# EAGLE board working (EAGLE 9.6.2), part 3 of 28 (continued)
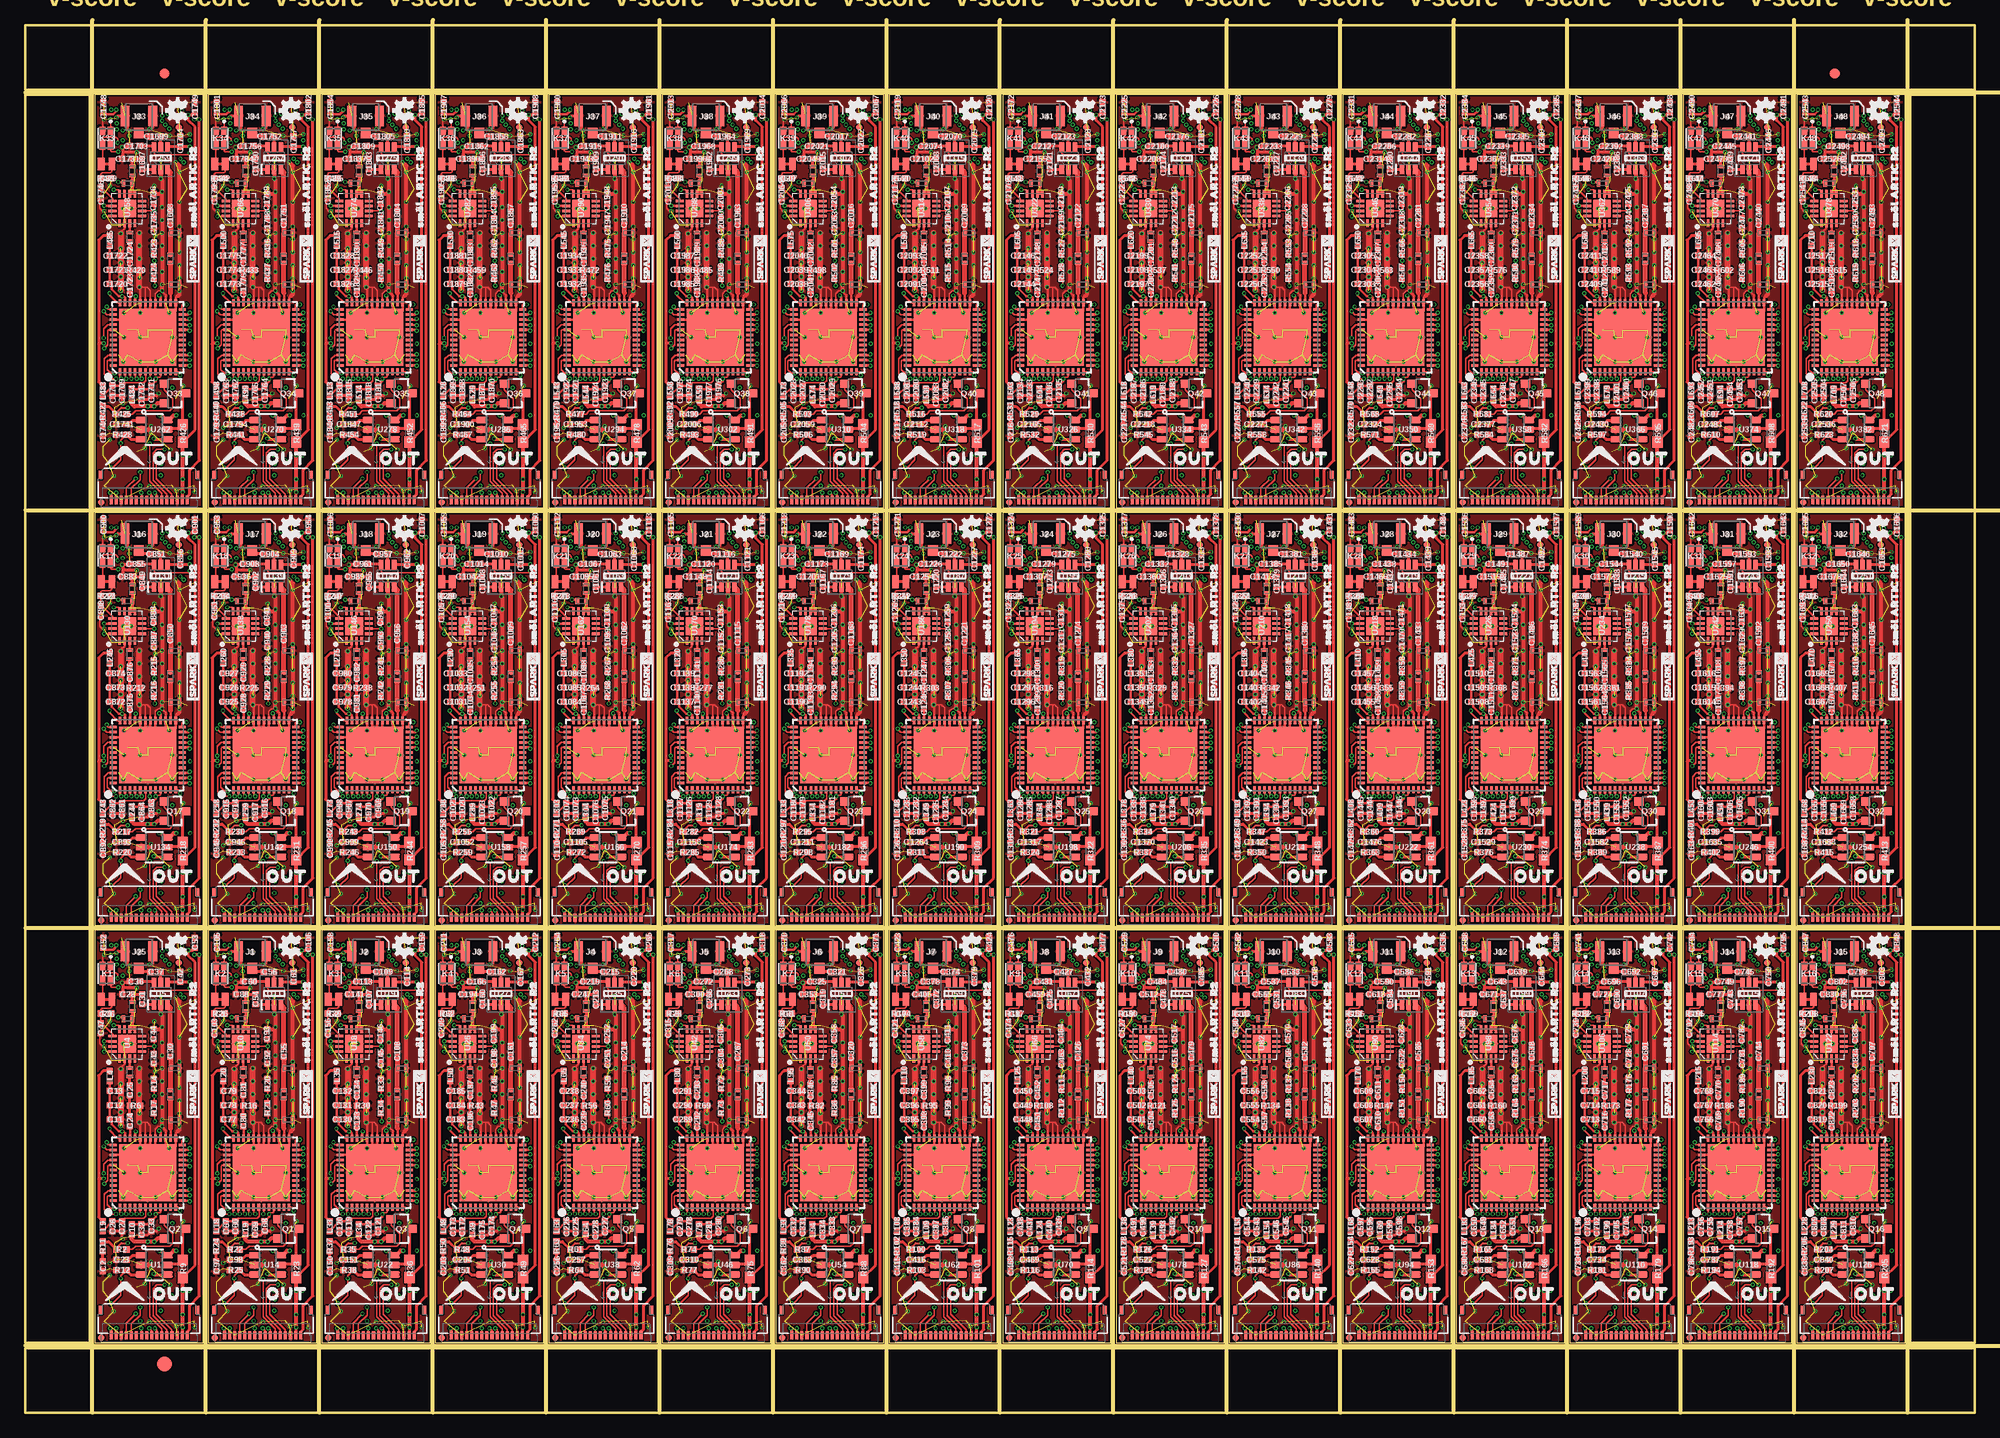
[diagram p0: board, top side]
## Placement (x,y rotation side) (continued)
C2373  22pF  [0402-TIGHT]  149.1,104.71 270 bottom
C2374  0.1uF  [0402-TIGHT]  148.15,104.71 270 bottom
C2375  2.2uF  [0402-TIGHT]  150.24,91.31 180 bottom
C2376  10nF  [0402-TIGHT]  141.73,96.71 270 top
C2377  1.0uF  [0402-TIGHT]  143.57,97.35 180 top
C2378  2.2uF  [0402-TIGHT]  142.3,94.23 0 bottom
C2379  0.1uF  [0402-TIGHT]  144.02,96.9 90 bottom
C2380  1.0uF  [0402-TIGHT]  151,122.49 90 bottom
C2381  0.1uF  [0402-TIGHT]  149.35,99.89 0 bottom
C2382  100pF  [0402-TIGHT]  141.54,120.14 90 top
C2383  0.1uF  [0402-TIGHT]  144.59,94.68 180 bottom
C2384  2.2uF  [0402-TIGHT]  141.8,128.59 90 top
C2385  2.2uF  [0402-TIGHT]  150.81,128.59 90 top
C2386  100pF  [0402-TIGHT]  156.78,123 90 top
C2387  100pF  [0402-TIGHT]  159.58,117.86 270 top
C2388  100pF  [0402-TIGHT]  158.12,125.73 0 top
C2389  1.0uF  [0402-TIGHT]  153.54,99 180 bottom
C2390  1.0uF  [0402-TIGHT]  153.48,95.19 0 bottom
C2391  2.2uF  [0402-TIGHT]  153.54,91.31 0 bottom
C2392  100pF  [0402-TIGHT]  156.08,124.78 180 top
C2393  100pF  [0402-TIGHT]  160.53,125.22 90 top
C2394  22pF  [0402-TIGHT]  161.23,110.3 90 bottom
C2395  0.1uF  [0402-TIGHT]  159.51,110.68 90 bottom
C2396  22pF  [0402-TIGHT]  158.88,107.12 270 bottom
C2397  0.1uF  [0402-TIGHT]  159.83,107.12 270 bottom
C2398  22pF  [0402-TIGHT]  154.81,100.65 270 top
C2399  0.1uF  [0402-TIGHT]  153.86,100.65 270 top
C2400  22pF  [0402-TIGHT]  157.67,100.65 270 top
C2401  0.1uF  [0402-TIGHT]  156.72,100.33 270 top
C2402  22pF  [0402-TIGHT]  155.7,109.16 180 bottom
C2403  0.1uF  [0402-TIGHT]  153.61,109.6 0 bottom
C2404  22pF  [0402-TIGHT]  154.43,104.71 270 bottom
C2405  0.1uF  [0402-TIGHT]  155.38,104.71 270 bottom
C2406  1.0uF  [0402-TIGHT]  157.35,107.12 270 bottom
C2407  47nF  [0402-TIGHT]  156.4,107.12 270 bottom
C2408  1.0nF  [0402-TIGHT]  152.97,107.28 90 bottom
C2409  100pF  [0402-TIGHT]  154.11,111.19 0 top
C2410  1.0uF  [0402-TIGHT]  154.11,112.59 0 top
C2411  10uF  [0402-TIGHT]  154.11,113.98 0 top
C2412  100pF  [0402-TIGHT]  155.58,111 90 top
C2413  100pF  [0402-TIGHT]  155.58,114.05 90 top
C2414  100pF  [0402-TIGHT]  153.54,122.3 180 bottom
C2415  100pF  [0402-TIGHT]  153.86,117.48 90 bottom
C2416  2.2uF  [0402-TIGHT]  154.81,117.48 90 bottom
C2417  22pF  [0402-TIGHT]  155.64,119.89 90 bottom
C2418  2.2uF  [0402-TIGHT]  156.59,119.89 90 bottom
C2419  2.4 pF  [0402_MURATA]  159.58,113.67 90 top
C2420  9.1pF  [0402-TIGHT]  155.32,123.51 0 top
C2421  100pF  [0402-TIGHT]  155.58,121.35 180 bottom
C2422  2.2uF  [0402-TIGHT]  155.58,122.3 180 bottom
C2423  10uF  [0402-TIGHT]  155.58,123.25 180 bottom
C2424  100pF  [0402-TIGHT]  157.92,117.16 90 top
C2425  2.2uF  [0402-TIGHT]  157.92,119.57 90 top
C2426  22pF  [0402-TIGHT]  160.27,104.71 270 bottom
C2427  0.1uF  [0402-TIGHT]  159.32,104.71 270 bottom
C2428  2.2uF  [0402-TIGHT]  161.42,91.31 180 bottom
C2429  10nF  [0402-TIGHT]  152.91,96.71 270 top
C2430  1.0uF  [0402-TIGHT]  154.75,97.35 180 top
C2431  2.2uF  [0402-TIGHT]  153.48,94.23 0 bottom
C2432  0.1uF  [0402-TIGHT]  155.19,96.9 90 bottom
C2433  1.0uF  [0402-TIGHT]  162.18,122.49 90 bottom
C2434  0.1uF  [0402-TIGHT]  160.53,99.89 0 bottom
C2435  100pF  [0402-TIGHT]  152.72,120.14 90 top
C2436  0.1uF  [0402-TIGHT]  155.77,94.68 180 bottom
C2437  2.2uF  [0402-TIGHT]  152.97,128.59 90 top
C2438  2.2uF  [0402-TIGHT]  161.99,128.59 90 top
C2439  100pF  [0402-TIGHT]  167.96,123 90 top
C2440  100pF  [0402-TIGHT]  170.75,117.86 270 top
C2441  100pF  [0402-TIGHT]  169.29,125.73 0 top
C2442  1.0uF  [0402-TIGHT]  164.72,99 180 bottom
C2443  1.0uF  [0402-TIGHT]  164.66,95.19 0 bottom
C2444  2.2uF  [0402-TIGHT]  164.72,91.31 0 bottom
C2445  100pF  [0402-TIGHT]  167.26,124.78 180 top
C2446  100pF  [0402-TIGHT]  171.7,125.22 90 top
C2447  22pF  [0402-TIGHT]  172.4,110.3 90 bottom
C2448  0.1uF  [0402-TIGHT]  170.69,110.68 90 bottom
C2449  22pF  [0402-TIGHT]  170.05,107.12 270 bottom
C2450  0.1uF  [0402-TIGHT]  171.01,107.12 270 bottom
C2451  22pF  [0402-TIGHT]  165.99,100.65 270 top
C2452  0.1uF  [0402-TIGHT]  165.04,100.65 270 top
C2453  22pF  [0402-TIGHT]  168.85,100.65 270 top
C2454  0.1uF  [0402-TIGHT]  167.89,100.33 270 top
C2455  22pF  [0402-TIGHT]  166.88,109.16 180 bottom
C2456  0.1uF  [0402-TIGHT]  164.78,109.6 0 bottom
C2457  22pF  [0402-TIGHT]  165.61,104.71 270 bottom
C2458  0.1uF  [0402-TIGHT]  166.56,104.71 270 bottom
C2459  1.0uF  [0402-TIGHT]  168.53,107.12 270 bottom
C2460  47nF  [0402-TIGHT]  167.58,107.12 270 bottom
C2461  1.0nF  [0402-TIGHT]  164.15,107.28 90 bottom
C2462  100pF  [0402-TIGHT]  165.29,111.19 0 top
C2463  1.0uF  [0402-TIGHT]  165.29,112.59 0 top
C2464  10uF  [0402-TIGHT]  165.29,113.98 0 top
C2465  100pF  [0402-TIGHT]  166.75,111 90 top
C2466  100pF  [0402-TIGHT]  166.75,114.05 90 top
C2467  100pF  [0402-TIGHT]  164.72,122.3 180 bottom
C2468  100pF  [0402-TIGHT]  165.04,117.48 90 bottom
C2469  2.2uF  [0402-TIGHT]  165.99,117.48 90 bottom
C2470  22pF  [0402-TIGHT]  166.81,119.89 90 bottom
C2471  2.2uF  [0402-TIGHT]  167.77,119.89 90 bottom
C2472  2.4 pF  [0402_MURATA]  170.75,113.67 90 top
C2473  9.1pF  [0402-TIGHT]  166.5,123.51 0 top
C2474  100pF  [0402-TIGHT]  166.75,121.35 180 bottom
C2475  2.2uF  [0402-TIGHT]  166.75,122.3 180 bottom
C2476  10uF  [0402-TIGHT]  166.75,123.25 180 bottom
C2477  100pF  [0402-TIGHT]  169.1,117.16 90 top
C2478  2.2uF  [0402-TIGHT]  169.1,119.57 90 top
C2479  22pF  [0402-TIGHT]  171.45,104.71 270 bottom
C2480  0.1uF  [0402-TIGHT]  170.5,104.71 270 bottom
C2481  2.2uF  [0402-TIGHT]  172.59,91.31 180 bottom
C2482  10nF  [0402-TIGHT]  164.08,96.71 270 top
C2483  1.0uF  [0402-TIGHT]  165.93,97.35 180 top
C2484  2.2uF  [0402-TIGHT]  164.66,94.23 0 bottom
C2485  0.1uF  [0402-TIGHT]  166.37,96.9 90 bottom
C2486  1.0uF  [0402-TIGHT]  173.36,122.49 90 bottom
C2487  0.1uF  [0402-TIGHT]  171.7,99.89 0 bottom
C2488  100pF  [0402-TIGHT]  163.89,120.14 90 top
C2489  0.1uF  [0402-TIGHT]  166.94,94.68 180 bottom
C2490  2.2uF  [0402-TIGHT]  164.15,128.59 90 top
C2491  2.2uF  [0402-TIGHT]  173.16,128.59 90 top
C2492  100pF  [0402-TIGHT]  179.13,123 90 top
C2493  100pF  [0402-TIGHT]  181.93,117.86 270 top
C2494  100pF  [0402-TIGHT]  180.47,125.73 0 top
C2495  1.0uF  [0402-TIGHT]  175.9,99 180 bottom
C2496  1.0uF  [0402-TIGHT]  175.83,95.19 0 bottom
C2497  2.2uF  [0402-TIGHT]  175.9,91.31 0 bottom
C2498  100pF  [0402-TIGHT]  178.44,124.78 180 top
C2499  100pF  [0402-TIGHT]  182.88,125.22 90 top
C2500  22pF  [0402-TIGHT]  183.58,110.3 90 bottom
C2501  0.1uF  [0402-TIGHT]  181.86,110.68 90 bottom
C2502  22pF  [0402-TIGHT]  181.23,107.12 270 bottom
C2503  0.1uF  [0402-TIGHT]  182.18,107.12 270 bottom
C2504  22pF  [0402-TIGHT]  177.16,100.65 270 top
C2505  0.1uF  [0402-TIGHT]  176.21,100.65 270 top
C2506  22pF  [0402-TIGHT]  180.02,100.65 270 top
C2507  0.1uF  [0402-TIGHT]  179.07,100.33 270 top
C2508  22pF  [0402-TIGHT]  178.05,109.16 180 bottom
C2509  0.1uF  [0402-TIGHT]  175.96,109.6 0 bottom
C2510  22pF  [0402-TIGHT]  176.78,104.71 270 bottom
C2511  0.1uF  [0402-TIGHT]  177.74,104.71 270 bottom
C2512  1.0uF  [0402-TIGHT]  179.71,107.12 270 bottom
C2513  47nF  [0402-TIGHT]  178.75,107.12 270 bottom
C2514  1.0nF  [0402-TIGHT]  175.32,107.28 90 bottom
C2515  100pF  [0402-TIGHT]  176.47,111.19 0 top
C2516  1.0uF  [0402-TIGHT]  176.47,112.59 0 top
C2517  10uF  [0402-TIGHT]  176.47,113.98 0 top
C2518  100pF  [0402-TIGHT]  177.93,111 90 top
C2519  100pF  [0402-TIGHT]  177.93,114.05 90 top
C2520  100pF  [0402-TIGHT]  175.9,122.3 180 bottom
C2521  100pF  [0402-TIGHT]  176.21,117.48 90 bottom
C2522  2.2uF  [0402-TIGHT]  177.16,117.48 90 bottom
C2523  22pF  [0402-TIGHT]  177.99,119.89 90 bottom
C2524  2.2uF  [0402-TIGHT]  178.94,119.89 90 bottom
C2525  2.4 pF  [0402_MURATA]  181.93,113.67 90 top
C2526  9.1pF  [0402-TIGHT]  177.67,123.51 0 top
C2527  100pF  [0402-TIGHT]  177.93,121.35 180 bottom
C2528  2.2uF  [0402-TIGHT]  177.93,122.3 180 bottom
C2529  10uF  [0402-TIGHT]  177.93,123.25 180 bottom
C2530  100pF  [0402-TIGHT]  180.28,117.16 90 top
C2531  2.2uF  [0402-TIGHT]  180.28,119.57 90 top
C2532  22pF  [0402-TIGHT]  182.63,104.71 270 bottom
C2533  0.1uF  [0402-TIGHT]  181.67,104.71 270 bottom
C2534  2.2uF  [0402-TIGHT]  183.77,91.31 180 bottom
C2535  10nF  [0402-TIGHT]  175.26,96.71 270 top
C2536  1.0uF  [0402-TIGHT]  177.1,97.35 180 top
C2537  2.2uF  [0402-TIGHT]  175.83,94.23 0 bottom
C2538  0.1uF  [0402-TIGHT]  177.55,96.9 90 bottom
C2539  1.0uF  [0402-TIGHT]  184.53,122.49 90 bottom
C2540  0.1uF  [0402-TIGHT]  182.88,99.89 0 bottom
C2541  100pF  [0402-TIGHT]  175.07,120.14 90 top
C2542  0.1uF  [0402-TIGHT]  178.12,94.68 180 bottom
C2543  2.2uF  [0402-TIGHT]  175.32,128.59 90 top
C2544  2.2uF  [0402-TIGHT]  184.34,128.59 90 top
CS0  TEST-POINT3  [PAD.03X.03]  7.49,42.42 0 bottom
CS1  TEST-POINT3  [PAD.03X.03]  18.67,42.42 0 bottom
CS2  TEST-POINT3  [PAD.03X.03]  29.84,42.42 0 bottom
CS3  TEST-POINT3  [PAD.03X.03]  41.02,42.42 0 bottom
CS4  TEST-POINT3  [PAD.03X.03]  52.2,42.42 0 bottom
CS5  TEST-POINT3  [PAD.03X.03]  63.37,42.42 0 bottom
CS6  TEST-POINT3  [PAD.03X.03]  74.55,42.42 0 bottom
CS7  TEST-POINT3  [PAD.03X.03]  85.73,42.42 0 bottom
CS8  TEST-POINT3  [PAD.03X.03]  96.9,42.42 0 bottom
CS9  TEST-POINT3  [PAD.03X.03]  108.08,42.42 0 bottom
CS10  TEST-POINT3  [PAD.03X.03]  119.25,42.42 0 bottom
CS11  TEST-POINT3  [PAD.03X.03]  130.43,42.42 0 bottom
CS12  TEST-POINT3  [PAD.03X.03]  141.61,42.42 0 bottom
CS13  TEST-POINT3  [PAD.03X.03]  152.78,42.42 0 bottom
CS14  TEST-POINT3  [PAD.03X.03]  163.96,42.42 0 bottom
CS15  TEST-POINT3  [PAD.03X.03]  175.13,42.42 0 bottom
CS16  TEST-POINT3  [PAD.03X.03]  7.49,83.57 0 bottom
CS17  TEST-POINT3  [PAD.03X.03]  18.67,83.57 0 bottom
CS18  TEST-POINT3  [PAD.03X.03]  29.84,83.57 0 bottom
CS19  TEST-POINT3  [PAD.03X.03]  41.02,83.57 0 bottom
CS20  TEST-POINT3  [PAD.03X.03]  52.2,83.57 0 bottom
CS21  TEST-POINT3  [PAD.03X.03]  63.37,83.57 0 bottom
CS22  TEST-POINT3  [PAD.03X.03]  74.55,83.57 0 bottom
CS23  TEST-POINT3  [PAD.03X.03]  85.73,83.57 0 bottom
CS24  TEST-POINT3  [PAD.03X.03]  96.9,83.57 0 bottom
CS25  TEST-POINT3  [PAD.03X.03]  108.08,83.57 0 bottom
CS26  TEST-POINT3  [PAD.03X.03]  119.25,83.57 0 bottom
CS27  TEST-POINT3  [PAD.03X.03]  130.43,83.57 0 bottom
CS28  TEST-POINT3  [PAD.03X.03]  141.61,83.57 0 bottom
CS29  TEST-POINT3  [PAD.03X.03]  152.78,83.57 0 bottom
CS30  TEST-POINT3  [PAD.03X.03]  163.96,83.57 0 bottom
CS31  TEST-POINT3  [PAD.03X.03]  175.13,83.57 0 bottom
CS32  TEST-POINT3  [PAD.03X.03]  7.49,124.71 0 bottom
CS33  TEST-POINT3  [PAD.03X.03]  18.67,124.71 0 bottom
CS34  TEST-POINT3  [PAD.03X.03]  29.84,124.71 0 bottom
CS35  TEST-POINT3  [PAD.03X.03]  41.02,124.71 0 bottom
CS36  TEST-POINT3  [PAD.03X.03]  52.2,124.71 0 bottom
CS37  TEST-POINT3  [PAD.03X.03]  63.37,124.71 0 bottom
CS38  TEST-POINT3  [PAD.03X.03]  74.55,124.71 0 bottom
CS39  TEST-POINT3  [PAD.03X.03]  85.73,124.71 0 bottom
CS40  TEST-POINT3  [PAD.03X.03]  96.9,124.71 0 bottom
CS41  TEST-POINT3  [PAD.03X.03]  108.08,124.71 0 bottom
CS42  TEST-POINT3  [PAD.03X.03]  119.25,124.71 0 bottom
CS43  TEST-POINT3  [PAD.03X.03]  130.43,124.71 0 bottom
CS44  TEST-POINT3  [PAD.03X.03]  141.61,124.71 0 bottom
CS45  TEST-POINT3  [PAD.03X.03]  152.78,124.71 0 bottom
CS46  TEST-POINT3  [PAD.03X.03]  163.96,124.71 0 bottom
CS47  TEST-POINT3  [PAD.03X.03]  175.13,124.71 0 bottom
E$1  [FIDUCIAL-1X2]  13.72,131.89 0 top
E$2  [FIDUCIAL-1X2]  13.72,131.89 0 bottom
E$3  [FIDUCIAL-1X2]  178.24,131.89 0 top
E$4  [FIDUCIAL-1X2]  178.24,131.89 0 bottom
E$5  [FIDUCIAL-1.5X3]  13.72,4.76 0 top
E$6  [FIDUCIAL-1.5X3]  13.72,4.76 0 bottom
FD1  FIDUCIALUFIDUCIAL  [FIDUCIAL-MICRO]  15.11,44.32 0 top
FD2  FIDUCIALUFIDUCIAL  [FIDUCIAL-MICRO]  16.89,46.86 0 bottom
FD3  FIDUCIALUFIDUCIAL  [FIDUCIAL-MICRO]  7.49,7.37 0 top
FD4  FIDUCIALUFIDUCIAL  [FIDUCIAL-MICRO]  7.49,7.37 0 bottom
FD5  FIDUCIALUFIDUCIAL  [FIDUCIAL-MICRO]  26.29,44.32 0 top
FD6  FIDUCIALUFIDUCIAL  [FIDUCIAL-MICRO]  28.07,46.86 0 bottom
FD7  FIDUCIALUFIDUCIAL  [FIDUCIAL-MICRO]  18.67,7.37 0 top
FD8  FIDUCIALUFIDUCIAL  [FIDUCIAL-MICRO]  18.67,7.37 0 bottom
FD9  FIDUCIALUFIDUCIAL  [FIDUCIAL-MICRO]  37.46,44.32 0 top
FD10  FIDUCIALUFIDUCIAL  [FIDUCIAL-MICRO]  39.24,46.86 0 bottom
FD11  FIDUCIALUFIDUCIAL  [FIDUCIAL-MICRO]  29.84,7.37 0 top
FD12  FIDUCIALUFIDUCIAL  [FIDUCIAL-MICRO]  29.84,7.37 0 bottom
FD13  FIDUCIALUFIDUCIAL  [FIDUCIAL-MICRO]  48.64,44.32 0 top
FD14  FIDUCIALUFIDUCIAL  [FIDUCIAL-MICRO]  50.42,46.86 0 bottom
FD15  FIDUCIALUFIDUCIAL  [FIDUCIAL-MICRO]  41.02,7.37 0 top
FD16  FIDUCIALUFIDUCIAL  [FIDUCIAL-MICRO]  41.02,7.37 0 bottom
FD17  FIDUCIALUFIDUCIAL  [FIDUCIAL-MICRO]  59.82,44.32 0 top
FD18  FIDUCIALUFIDUCIAL  [FIDUCIAL-MICRO]  61.59,46.86 0 bottom
FD19  FIDUCIALUFIDUCIAL  [FIDUCIAL-MICRO]  52.2,7.37 0 top
FD20  FIDUCIALUFIDUCIAL  [FIDUCIAL-MICRO]  52.2,7.37 0 bottom
FD21  FIDUCIALUFIDUCIAL  [FIDUCIAL-MICRO]  70.99,44.32 0 top
FD22  FIDUCIALUFIDUCIAL  [FIDUCIAL-MICRO]  72.77,46.86 0 bottom
FD23  FIDUCIALUFIDUCIAL  [FIDUCIAL-MICRO]  63.37,7.37 0 top
FD24  FIDUCIALUFIDUCIAL  [FIDUCIAL-MICRO]  63.37,7.37 0 bottom
FD25  FIDUCIALUFIDUCIAL  [FIDUCIAL-MICRO]  82.17,44.32 0 top
FD26  FIDUCIALUFIDUCIAL  [FIDUCIAL-MICRO]  83.95,46.86 0 bottom
FD27  FIDUCIALUFIDUCIAL  [FIDUCIAL-MICRO]  74.55,7.37 0 top
FD28  FIDUCIALUFIDUCIAL  [FIDUCIAL-MICRO]  74.55,7.37 0 bottom
FD29  FIDUCIALUFIDUCIAL  [FIDUCIAL-MICRO]  93.34,44.32 0 top
FD30  FIDUCIALUFIDUCIAL  [FIDUCIAL-MICRO]  95.12,46.86 0 bottom
FD31  FIDUCIALUFIDUCIAL  [FIDUCIAL-MICRO]  85.73,7.37 0 top
FD32  FIDUCIALUFIDUCIAL  [FIDUCIAL-MICRO]  85.73,7.37 0 bottom
FD33  FIDUCIALUFIDUCIAL  [FIDUCIAL-MICRO]  104.52,44.32 0 top
FD34  FIDUCIALUFIDUCIAL  [FIDUCIAL-MICRO]  106.3,46.86 0 bottom
FD35  FIDUCIALUFIDUCIAL  [FIDUCIAL-MICRO]  96.9,7.37 0 top
FD36  FIDUCIALUFIDUCIAL  [FIDUCIAL-MICRO]  96.9,7.37 0 bottom
FD37  FIDUCIALUFIDUCIAL  [FIDUCIAL-MICRO]  115.7,44.32 0 top
FD38  FIDUCIALUFIDUCIAL  [FIDUCIAL-MICRO]  117.48,46.86 0 bottom
FD39  FIDUCIALUFIDUCIAL  [FIDUCIAL-MICRO]  108.08,7.37 0 top
FD40  FIDUCIALUFIDUCIAL  [FIDUCIAL-MICRO]  108.08,7.37 0 bottom
FD41  FIDUCIALUFIDUCIAL  [FIDUCIAL-MICRO]  126.87,44.32 0 top
FD42  FIDUCIALUFIDUCIAL  [FIDUCIAL-MICRO]  128.65,46.86 0 bottom
FD43  FIDUCIALUFIDUCIAL  [FIDUCIAL-MICRO]  119.25,7.37 0 top
FD44  FIDUCIALUFIDUCIAL  [FIDUCIAL-MICRO]  119.25,7.37 0 bottom
FD45  FIDUCIALUFIDUCIAL  [FIDUCIAL-MICRO]  138.05,44.32 0 top
FD46  FIDUCIALUFIDUCIAL  [FIDUCIAL-MICRO]  139.83,46.86 0 bottom
FD47  FIDUCIALUFIDUCIAL  [FIDUCIAL-MICRO]  130.43,7.37 0 top
FD48  FIDUCIALUFIDUCIAL  [FIDUCIAL-MICRO]  130.43,7.37 0 bottom
FD49  FIDUCIALUFIDUCIAL  [FIDUCIAL-MICRO]  149.22,44.32 0 top
FD50  FIDUCIALUFIDUCIAL  [FIDUCIAL-MICRO]  151,46.86 0 bottom
FD51  FIDUCIALUFIDUCIAL  [FIDUCIAL-MICRO]  141.61,7.37 0 top
FD52  FIDUCIALUFIDUCIAL  [FIDUCIAL-MICRO]  141.61,7.37 0 bottom
FD53  FIDUCIALUFIDUCIAL  [FIDUCIAL-MICRO]  160.4,44.32 0 top
FD54  FIDUCIALUFIDUCIAL  [FIDUCIAL-MICRO]  162.18,46.86 0 bottom
FD55  FIDUCIALUFIDUCIAL  [FIDUCIAL-MICRO]  152.78,7.37 0 top
FD56  FIDUCIALUFIDUCIAL  [FIDUCIAL-MICRO]  152.78,7.37 0 bottom
FD57  FIDUCIALUFIDUCIAL  [FIDUCIAL-MICRO]  171.58,44.32 0 top
FD58  FIDUCIALUFIDUCIAL  [FIDUCIAL-MICRO]  173.36,46.86 0 bottom
FD59  FIDUCIALUFIDUCIAL  [FIDUCIAL-MICRO]  163.96,7.37 0 top
FD60  FIDUCIALUFIDUCIAL  [FIDUCIAL-MICRO]  163.96,7.37 0 bottom
FD61  FIDUCIALUFIDUCIAL  [FIDUCIAL-MICRO]  182.75,44.32 0 top
FD62  FIDUCIALUFIDUCIAL  [FIDUCIAL-MICRO]  184.53,46.86 0 bottom
FD63  FIDUCIALUFIDUCIAL  [FIDUCIAL-MICRO]  175.13,7.37 0 top
FD64  FIDUCIALUFIDUCIAL  [FIDUCIAL-MICRO]  175.13,7.37 0 bottom
FD65  FIDUCIALUFIDUCIAL  [FIDUCIAL-MICRO]  15.11,85.47 0 top
FD66  FIDUCIALUFIDUCIAL  [FIDUCIAL-MICRO]  16.89,88.01 0 bottom
FD67  FIDUCIALUFIDUCIAL  [FIDUCIAL-MICRO]  7.49,48.51 0 top
FD68  FIDUCIALUFIDUCIAL  [FIDUCIAL-MICRO]  7.49,48.51 0 bottom
FD69  FIDUCIALUFIDUCIAL  [FIDUCIAL-MICRO]  26.29,85.47 0 top
FD70  FIDUCIALUFIDUCIAL  [FIDUCIAL-MICRO]  28.07,88.01 0 bottom
FD71  FIDUCIALUFIDUCIAL  [FIDUCIAL-MICRO]  18.67,48.51 0 top
FD72  FIDUCIALUFIDUCIAL  [FIDUCIAL-MICRO]  18.67,48.51 0 bottom
FD73  FIDUCIALUFIDUCIAL  [FIDUCIAL-MICRO]  37.46,85.47 0 top
FD74  FIDUCIALUFIDUCIAL  [FIDUCIAL-MICRO]  39.24,88.01 0 bottom
FD75  FIDUCIALUFIDUCIAL  [FIDUCIAL-MICRO]  29.84,48.51 0 top
FD76  FIDUCIALUFIDUCIAL  [FIDUCIAL-MICRO]  29.84,48.51 0 bottom
FD77  FIDUCIALUFIDUCIAL  [FIDUCIAL-MICRO]  48.64,85.47 0 top
FD78  FIDUCIALUFIDUCIAL  [FIDUCIAL-MICRO]  50.42,88.01 0 bottom
FD79  FIDUCIALUFIDUCIAL  [FIDUCIAL-MICRO]  41.02,48.51 0 top
FD80  FIDUCIALUFIDUCIAL  [FIDUCIAL-MICRO]  41.02,48.51 0 bottom
FD81  FIDUCIALUFIDUCIAL  [FIDUCIAL-MICRO]  59.82,85.47 0 top
FD82  FIDUCIALUFIDUCIAL  [FIDUCIAL-MICRO]  61.59,88.01 0 bottom
FD83  FIDUCIALUFIDUCIAL  [FIDUCIAL-MICRO]  52.2,48.51 0 top
FD84  FIDUCIALUFIDUCIAL  [FIDUCIAL-MICRO]  52.2,48.51 0 bottom
FD85  FIDUCIALUFIDUCIAL  [FIDUCIAL-MICRO]  70.99,85.47 0 top
FD86  FIDUCIALUFIDUCIAL  [FIDUCIAL-MICRO]  72.77,88.01 0 bottom
FD87  FIDUCIALUFIDUCIAL  [FIDUCIAL-MICRO]  63.37,48.51 0 top
FD88  FIDUCIALUFIDUCIAL  [FIDUCIAL-MICRO]  63.37,48.51 0 bottom
FD89  FIDUCIALUFIDUCIAL  [FIDUCIAL-MICRO]  82.17,85.47 0 top
FD90  FIDUCIALUFIDUCIAL  [FIDUCIAL-MICRO]  83.95,88.01 0 bottom
FD91  FIDUCIALUFIDUCIAL  [FIDUCIAL-MICRO]  74.55,48.51 0 top
FD92  FIDUCIALUFIDUCIAL  [FIDUCIAL-MICRO]  74.55,48.51 0 bottom
FD93  FIDUCIALUFIDUCIAL  [FIDUCIAL-MICRO]  93.34,85.47 0 top
FD94  FIDUCIALUFIDUCIAL  [FIDUCIAL-MICRO]  95.12,88.01 0 bottom
FD95  FIDUCIALUFIDUCIAL  [FIDUCIAL-MICRO]  85.73,48.51 0 top
FD96  FIDUCIALUFIDUCIAL  [FIDUCIAL-MICRO]  85.73,48.51 0 bottom
FD97  FIDUCIALUFIDUCIAL  [FIDUCIAL-MICRO]  104.52,85.47 0 top
FD98  FIDUCIALUFIDUCIAL  [FIDUCIAL-MICRO]  106.3,88.01 0 bottom
FD99  FIDUCIALUFIDUCIAL  [FIDUCIAL-MICRO]  96.9,48.51 0 top
FD100  FIDUCIALUFIDUCIAL  [FIDUCIAL-MICRO]  96.9,48.51 0 bottom
FD101  FIDUCIALUFIDUCIAL  [FIDUCIAL-MICRO]  115.7,85.47 0 top
FD102  FIDUCIALUFIDUCIAL  [FIDUCIAL-MICRO]  117.48,88.01 0 bottom
FD103  FIDUCIALUFIDUCIAL  [FIDUCIAL-MICRO]  108.08,48.51 0 top
FD104  FIDUCIALUFIDUCIAL  [FIDUCIAL-MICRO]  108.08,48.51 0 bottom
FD105  FIDUCIALUFIDUCIAL  [FIDUCIAL-MICRO]  126.87,85.47 0 top
FD106  FIDUCIALUFIDUCIAL  [FIDUCIAL-MICRO]  128.65,88.01 0 bottom
FD107  FIDUCIALUFIDUCIAL  [FIDUCIAL-MICRO]  119.25,48.51 0 top
FD108  FIDUCIALUFIDUCIAL  [FIDUCIAL-MICRO]  119.25,48.51 0 bottom
FD109  FIDUCIALUFIDUCIAL  [FIDUCIAL-MICRO]  138.05,85.47 0 top
FD110  FIDUCIALUFIDUCIAL  [FIDUCIAL-MICRO]  139.83,88.01 0 bottom
FD111  FIDUCIALUFIDUCIAL  [FIDUCIAL-MICRO]  130.43,48.51 0 top
FD112  FIDUCIALUFIDUCIAL  [FIDUCIAL-MICRO]  130.43,48.51 0 bottom
FD113  FIDUCIALUFIDUCIAL  [FIDUCIAL-MICRO]  149.22,85.47 0 top
FD114  FIDUCIALUFIDUCIAL  [FIDUCIAL-MICRO]  151,88.01 0 bottom
FD115  FIDUCIALUFIDUCIAL  [FIDUCIAL-MICRO]  141.61,48.51 0 top
FD116  FIDUCIALUFIDUCIAL  [FIDUCIAL-MICRO]  141.61,48.51 0 bottom
FD117  FIDUCIALUFIDUCIAL  [FIDUCIAL-MICRO]  160.4,85.47 0 top
FD118  FIDUCIALUFIDUCIAL  [FIDUCIAL-MICRO]  162.18,88.01 0 bottom
FD119  FIDUCIALUFIDUCIAL  [FIDUCIAL-MICRO]  152.78,48.51 0 top
FD120  FIDUCIALUFIDUCIAL  [FIDUCIAL-MICRO]  152.78,48.51 0 bottom
FD121  FIDUCIALUFIDUCIAL  [FIDUCIAL-MICRO]  171.58,85.47 0 top
FD122  FIDUCIALUFIDUCIAL  [FIDUCIAL-MICRO]  173.36,88.01 0 bottom
FD123  FIDUCIALUFIDUCIAL  [FIDUCIAL-MICRO]  163.96,48.51 0 top
FD124  FIDUCIALUFIDUCIAL  [FIDUCIAL-MICRO]  163.96,48.51 0 bottom
FD125  FIDUCIALUFIDUCIAL  [FIDUCIAL-MICRO]  182.75,85.47 0 top
FD126  FIDUCIALUFIDUCIAL  [FIDUCIAL-MICRO]  184.53,88.01 0 bottom
FD127  FIDUCIALUFIDUCIAL  [FIDUCIAL-MICRO]  175.13,48.51 0 top
FD128  FIDUCIALUFIDUCIAL  [FIDUCIAL-MICRO]  175.13,48.51 0 bottom
FD129  FIDUCIALUFIDUCIAL  [FIDUCIAL-MICRO]  15.11,126.62 0 top
FD130  FIDUCIALUFIDUCIAL  [FIDUCIAL-MICRO]  16.89,129.16 0 bottom
FD131  FIDUCIALUFIDUCIAL  [FIDUCIAL-MICRO]  7.49,89.66 0 top
FD132  FIDUCIALUFIDUCIAL  [FIDUCIAL-MICRO]  7.49,89.66 0 bottom
FD133  FIDUCIALUFIDUCIAL  [FIDUCIAL-MICRO]  26.29,126.62 0 top
FD134  FIDUCIALUFIDUCIAL  [FIDUCIAL-MICRO]  28.07,129.16 0 bottom
FD135  FIDUCIALUFIDUCIAL  [FIDUCIAL-MICRO]  18.67,89.66 0 top
FD136  FIDUCIALUFIDUCIAL  [FIDUCIAL-MICRO]  18.67,89.66 0 bottom
FD137  FIDUCIALUFIDUCIAL  [FIDUCIAL-MICRO]  37.46,126.62 0 top
FD138  FIDUCIALUFIDUCIAL  [FIDUCIAL-MICRO]  39.24,129.16 0 bottom
FD139  FIDUCIALUFIDUCIAL  [FIDUCIAL-MICRO]  29.84,89.66 0 top
FD140  FIDUCIALUFIDUCIAL  [FIDUCIAL-MICRO]  29.84,89.66 0 bottom
FD141  FIDUCIALUFIDUCIAL  [FIDUCIAL-MICRO]  48.64,126.62 0 top
FD142  FIDUCIALUFIDUCIAL  [FIDUCIAL-MICRO]  50.42,129.16 0 bottom
FD143  FIDUCIALUFIDUCIAL  [FIDUCIAL-MICRO]  41.02,89.66 0 top
FD144  FIDUCIALUFIDUCIAL  [FIDUCIAL-MICRO]  41.02,89.66 0 bottom
FD145  FIDUCIALUFIDUCIAL  [FIDUCIAL-MICRO]  59.82,126.62 0 top
FD146  FIDUCIALUFIDUCIAL  [FIDUCIAL-MICRO]  61.59,129.16 0 bottom
FD147  FIDUCIALUFIDUCIAL  [FIDUCIAL-MICRO]  52.2,89.66 0 top
FD148  FIDUCIALUFIDUCIAL  [FIDUCIAL-MICRO]  52.2,89.66 0 bottom
FD149  FIDUCIALUFIDUCIAL  [FIDUCIAL-MICRO]  70.99,126.62 0 top
FD150  FIDUCIALUFIDUCIAL  [FIDUCIAL-MICRO]  72.77,129.16 0 bottom
FD151  FIDUCIALUFIDUCIAL  [FIDUCIAL-MICRO]  63.37,89.66 0 top
FD152  FIDUCIALUFIDUCIAL  [FIDUCIAL-MICRO]  63.37,89.66 0 bottom
FD153  FIDUCIALUFIDUCIAL  [FIDUCIAL-MICRO]  82.17,126.62 0 top
FD154  FIDUCIALUFIDUCIAL  [FIDUCIAL-MICRO]  83.95,129.16 0 bottom
FD155  FIDUCIALUFIDUCIAL  [FIDUCIAL-MICRO]  74.55,89.66 0 top
FD156  FIDUCIALUFIDUCIAL  [FIDUCIAL-MICRO]  74.55,89.66 0 bottom
FD157  FIDUCIALUFIDUCIAL  [FIDUCIAL-MICRO]  93.34,126.62 0 top
FD158  FIDUCIALUFIDUCIAL  [FIDUCIAL-MICRO]  95.12,129.16 0 bottom
FD159  FIDUCIALUFIDUCIAL  [FIDUCIAL-MICRO]  85.73,89.66 0 top
FD160  FIDUCIALUFIDUCIAL  [FIDUCIAL-MICRO]  85.73,89.66 0 bottom
FD161  FIDUCIALUFIDUCIAL  [FIDUCIAL-MICRO]  104.52,126.62 0 top
FD162  FIDUCIALUFIDUCIAL  [FIDUCIAL-MICRO]  106.3,129.16 0 bottom
FD163  FIDUCIALUFIDUCIAL  [FIDUCIAL-MICRO]  96.9,89.66 0 top
FD164  FIDUCIALUFIDUCIAL  [FIDUCIAL-MICRO]  96.9,89.66 0 bottom
FD165  FIDUCIALUFIDUCIAL  [FIDUCIAL-MICRO]  115.7,126.62 0 top
FD166  FIDUCIALUFIDUCIAL  [FIDUCIAL-MICRO]  117.48,129.16 0 bottom
FD167  FIDUCIALUFIDUCIAL  [FIDUCIAL-MICRO]  108.08,89.66 0 top
FD168  FIDUCIALUFIDUCIAL  [FIDUCIAL-MICRO]  108.08,89.66 0 bottom
FD169  FIDUCIALUFIDUCIAL  [FIDUCIAL-MICRO]  126.87,126.62 0 top
FD170  FIDUCIALUFIDUCIAL  [FIDUCIAL-MICRO]  128.65,129.16 0 bottom
FD171  FIDUCIALUFIDUCIAL  [FIDUCIAL-MICRO]  119.25,89.66 0 top
FD172  FIDUCIALUFIDUCIAL  [FIDUCIAL-MICRO]  119.25,89.66 0 bottom
FD173  FIDUCIALUFIDUCIAL  [FIDUCIAL-MICRO]  138.05,126.62 0 top
FD174  FIDUCIALUFIDUCIAL  [FIDUCIAL-MICRO]  139.83,129.16 0 bottom
FD175  FIDUCIALUFIDUCIAL  [FIDUCIAL-MICRO]  130.43,89.66 0 top
FD176  FIDUCIALUFIDUCIAL  [FIDUCIAL-MICRO]  130.43,89.66 0 bottom
FD177  FIDUCIALUFIDUCIAL  [FIDUCIAL-MICRO]  149.22,126.62 0 top
FD178  FIDUCIALUFIDUCIAL  [FIDUCIAL-MICRO]  151,129.16 0 bottom
FD179  FIDUCIALUFIDUCIAL  [FIDUCIAL-MICRO]  141.61,89.66 0 top
FD180  FIDUCIALUFIDUCIAL  [FIDUCIAL-MICRO]  141.61,89.66 0 bottom
FD181  FIDUCIALUFIDUCIAL  [FIDUCIAL-MICRO]  160.4,126.62 0 top
FD182  FIDUCIALUFIDUCIAL  [FIDUCIAL-MICRO]  162.18,129.16 0 bottom
FD183  FIDUCIALUFIDUCIAL  [FIDUCIAL-MICRO]  152.78,89.66 0 top
FD184  FIDUCIALUFIDUCIAL  [FIDUCIAL-MICRO]  152.78,89.66 0 bottom
FD185  FIDUCIALUFIDUCIAL  [FIDUCIAL-MICRO]  171.58,126.62 0 top
FD186  FIDUCIALUFIDUCIAL  [FIDUCIAL-MICRO]  173.36,129.16 0 bottom
FD187  FIDUCIALUFIDUCIAL  [FIDUCIAL-MICRO]  163.96,89.66 0 top
FD188  FIDUCIALUFIDUCIAL  [FIDUCIAL-MICRO]  163.96,89.66 0 bottom
FD189  FIDUCIALUFIDUCIAL  [FIDUCIAL-MICRO]  182.75,126.62 0 top
FD190  FIDUCIALUFIDUCIAL  [FIDUCIAL-MICRO]  184.53,129.16 0 bottom
FD191  FIDUCIALUFIDUCIAL  [FIDUCIAL-MICRO]  175.13,89.66 0 top
FD192  FIDUCIALUFIDUCIAL  [FIDUCIAL-MICRO]  175.13,89.66 0 bottom
FLSH_CEN  TEST-POINT3  [PAD.03X.03]  16.89,24.64 0 bottom
FLSH_CEN1  TEST-POINT3  [PAD.03X.03]  28.07,24.64 0 bottom
FLSH_CEN2  TEST-POINT3  [PAD.03X.03]  39.24,24.64 0 bottom
FLSH_CEN3  TEST-POINT3  [PAD.03X.03]  50.42,24.64 0 bottom
FLSH_CEN4  TEST-POINT3  [PAD.03X.03]  61.59,24.64 0 bottom
FLSH_CEN5  TEST-POINT3  [PAD.03X.03]  72.77,24.64 0 bottom
FLSH_CEN6  TEST-POINT3  [PAD.03X.03]  83.95,24.64 0 bottom
FLSH_CEN7  TEST-POINT3  [PAD.03X.03]  95.12,24.64 0 bottom
FLSH_CEN8  TEST-POINT3  [PAD.03X.03]  106.3,24.64 0 bottom
FLSH_CEN9  TEST-POINT3  [PAD.03X.03]  117.48,24.64 0 bottom
FLSH_CEN10  TEST-POINT3  [PAD.03X.03]  128.65,24.64 0 bottom
FLSH_CEN11  TEST-POINT3  [PAD.03X.03]  139.83,24.64 0 bottom
FLSH_CEN12  TEST-POINT3  [PAD.03X.03]  151,24.64 0 bottom
FLSH_CEN13  TEST-POINT3  [PAD.03X.03]  162.18,24.64 0 bottom
FLSH_CEN14  TEST-POINT3  [PAD.03X.03]  173.36,24.64 0 bottom
FLSH_CEN15  TEST-POINT3  [PAD.03X.03]  184.53,24.64 0 bottom
FLSH_CEN16  TEST-POINT3  [PAD.03X.03]  16.89,65.79 0 bottom
FLSH_CEN17  TEST-POINT3  [PAD.03X.03]  28.07,65.79 0 bottom
FLSH_CEN18  TEST-POINT3  [PAD.03X.03]  39.24,65.79 0 bottom
FLSH_CEN19  TEST-POINT3  [PAD.03X.03]  50.42,65.79 0 bottom